# KiCad board poly_kb_molecule_4x4.kicad_pcb (continued)
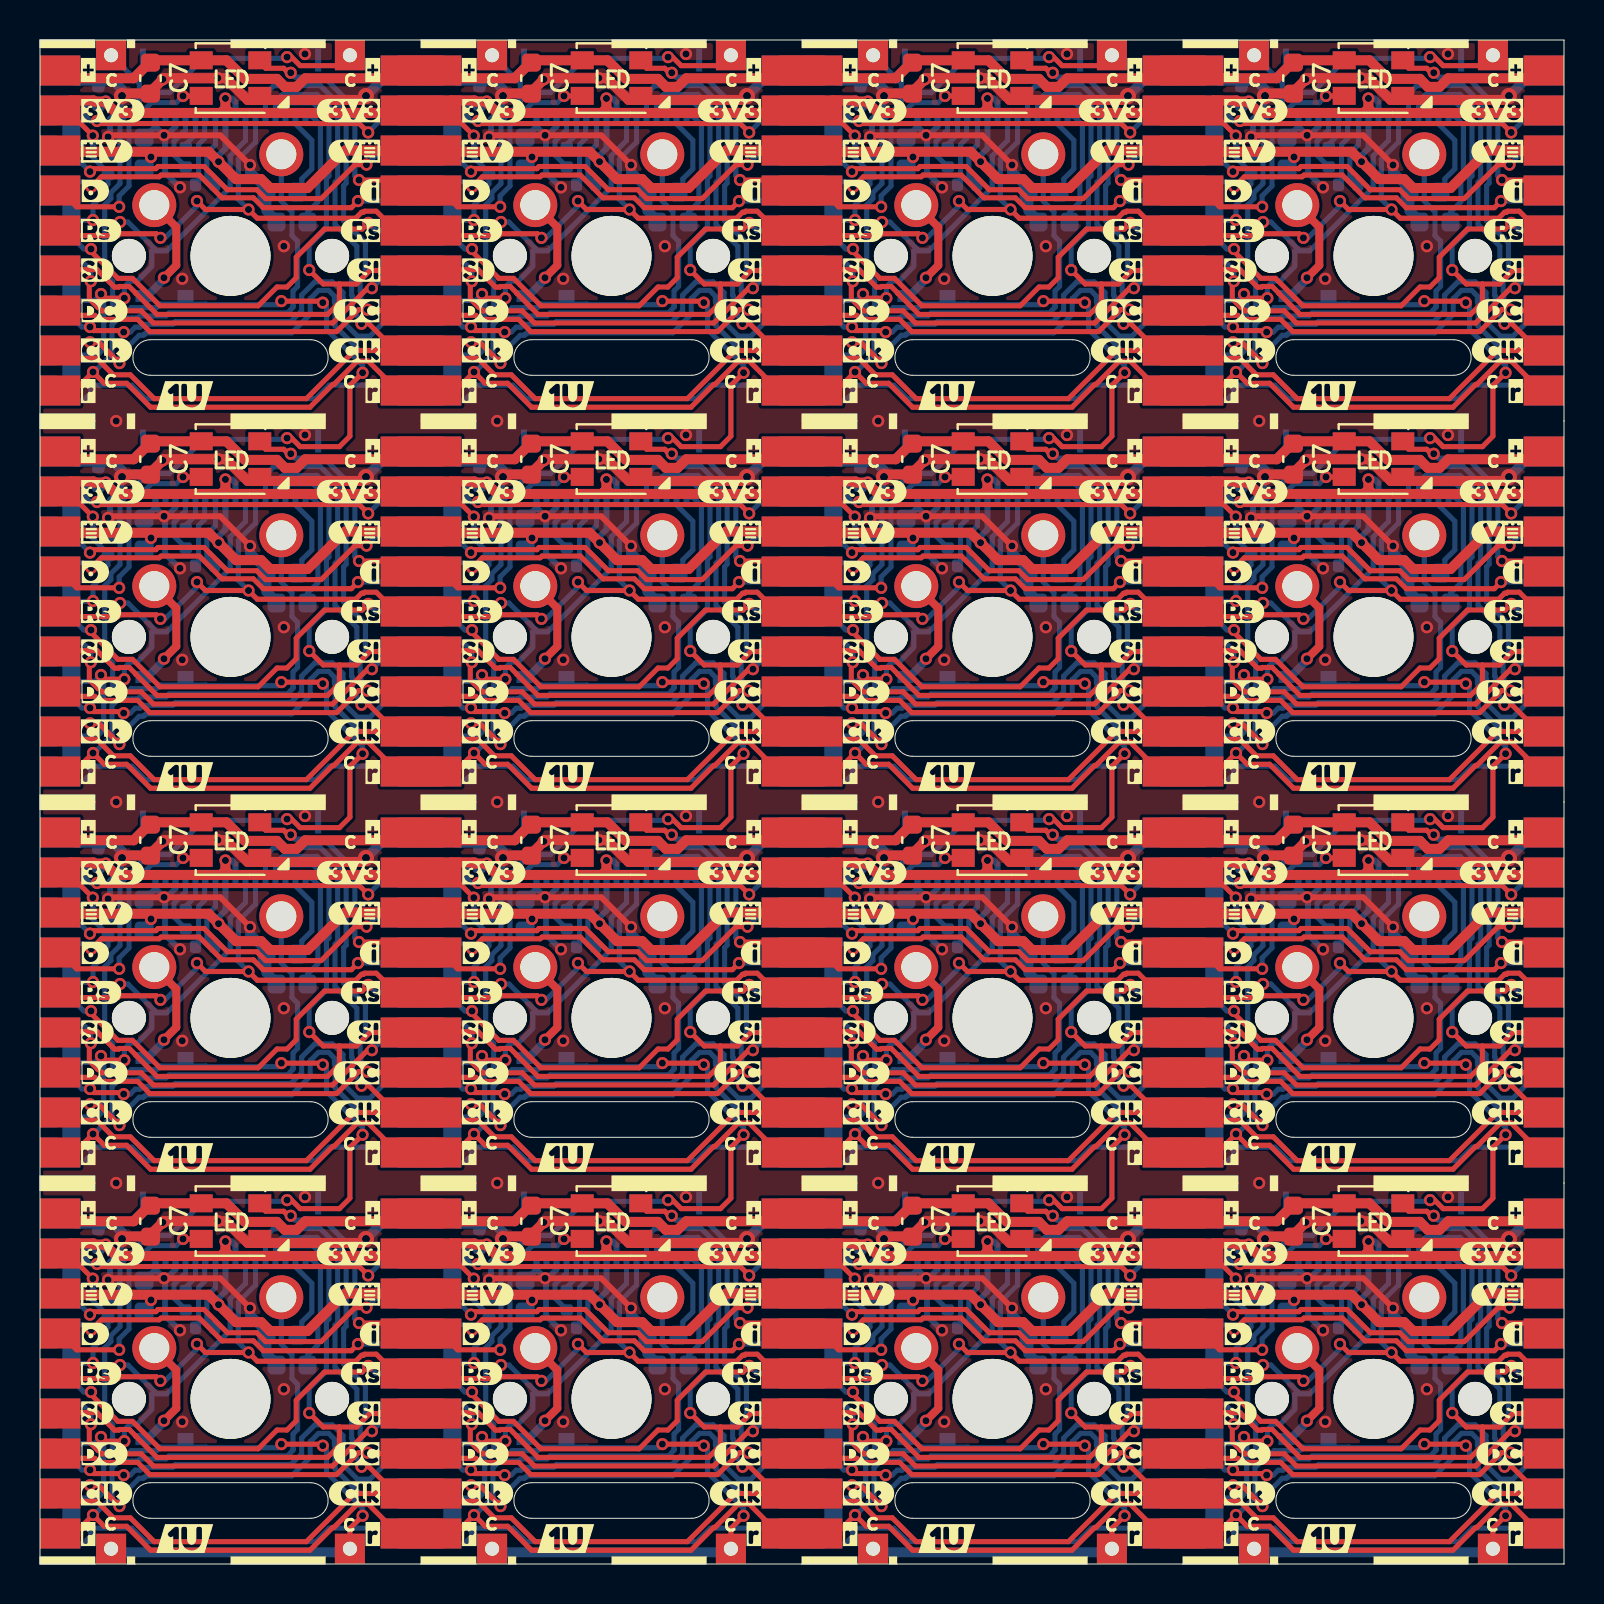
[diagram p0: board, top side]
## Routing (per net, layer and track width the routed paths; a pad name or vN(x,y) marks a point on that pad's centre or on a via; arc(x,y) is an arc through that point) (continued)
/Keyboard/sheet605ED2EB/LED_DIN: length 398.1
  Top w0.254: 36.83,11.53 36.3,12.05 v1(35,12.05) ; v1(50.64,36.46) 50.51,36.46 50.29,36.69 49.39,36.69 48.99,37.09 ; v1(23.01,10.71) 20.88,10.71 J3#6.4 ; v1(69.69,36.46) 69.56,36.46 69.34,36.69 68.44,36.69 68.04,37.09 ; 48.99,75.19 49.39,74.79 50.29,74.79 50.51,74.56 v1(50.64,74.56) ; 29.94,56.14 30.34,55.74 31.24,55.74 31.46,55.51 v1(31.59,55.51) ; v1(15.95,69.2) 17.25,69.2 17.78,68.68 ; J3#7.4 20.88,48.81 v1(23.01,48.81) ; J3#13.4 39.93,10.71 v1(42.06,10.71) ; v1(42.06,67.86) 39.93,67.86 J3#15.4 ; 36.83,49.63 36.3,50.15 v1(35,50.15) ; v1(31.59,36.46) 31.46,36.46 31.24,36.69 30.34,36.69 29.94,37.09 ; LED1#8.2 65.2,73.4 v1(64.3,73.4) ; v1(73.1,69.2) 74.41,69.2 74.93,68.68 ; v1(35,31.1) 36.3,31.1 36.83,30.58 ; J3#2.4 20.88,29.76 v1(23.01,29.76) ; LED1#3.2 65.2,35.3 v1(64.3,35.3) ; v1(7.15,73.4) 8.05,73.4 LED1.2 ; 74.93,11.53 74.41,12.05 v1(73.1,12.05) ; v1(26.2,16.25) 27.1,16.25 LED1#9.2 ; J3#3.4 1.83,29.76 v1(3.96,29.76) ; 17.78,30.58 17.25,31.1 v1(15.95,31.1) ; J3#10.4 58.98,67.86 v1(61.11,67.86) ; 68.04,75.19 68.44,74.79 69.34,74.79 69.56,74.56 v1(69.69,74.56) ; v1(31.59,17.41) 31.46,17.41 31.24,17.64 30.34,17.64 29.94,18.04 ; LED1#13.2 8.05,54.35 v1(7.15,54.35) ; v1(61.11,29.76) 58.98,29.76 J3#11.4 ; v1(3.96,48.81) 1.83,48.81 J3#8.4 ; LED1#16.2 27.1,73.4 v1(26.2,73.4) ; v1(15.95,50.15) 17.25,50.15 17.78,49.63 ; 74.93,49.63 74.41,50.15 v1(73.1,50.15) ; 17.78,11.53 17.25,12.05 v1(15.95,12.05) ; LED1#10.2 46.16,73.4 v1(45.25,73.4) ; v1(64.3,16.25) 65.2,16.25 LED1#2.2 ; v1(31.59,74.56) 31.46,74.56 31.24,74.79 30.34,74.79 29.94,75.19 ; 68.04,18.04 68.44,17.64 69.34,17.64 69.56,17.41 v1(69.69,17.41) ; J3#9.4 20.88,67.86 v1(23.01,67.86) ; v1(12.54,17.41) 12.41,17.41 12.19,17.64 11.29,17.64 10.89,18.04 ; v1(45.25,35.3) 46.16,35.3 LED1#14.2 ; J3#4.4 58.98,48.81 v1(61.11,48.81) ; v1(54.05,69.2) 55.36,69.2 55.88,68.68 ; LED1#11.2 46.16,54.35 v1(45.25,54.35) ; 36.83,68.68 36.3,69.2 v1(35,69.2) ; v1(73.1,31.1) 74.41,31.1 74.93,30.58 ; v1(3.96,67.86) 1.83,67.86 J3.4 ; LED1#4.2 27.1,35.3 v1(26.2,35.3) ; v1(50.64,55.51) 50.51,55.51 50.29,55.74 49.39,55.74 48.99,56.14 ; 10.89,37.09 11.29,36.69 12.19,36.69 12.41,36.46 v1(12.54,36.46) ; 55.88,30.58 55.36,31.1 v1(54.05,31.1) ; LED1#5.2 8.05,35.3 v1(7.15,35.3) ; v1(54.05,50.15) 55.36,50.15 55.88,49.63 ; J3#14.4 39.93,48.81 v1(42.06,48.81) ; 55.88,11.53 55.36,12.05 v1(54.05,12.05) ; 48.99,18.04 49.39,17.64 50.29,17.64 50.51,17.41 v1(50.64,17.41) ; 68.04,56.14 68.44,55.74 69.34,55.74 69.56,55.51 v1(69.69,55.51) ; v1(12.54,74.56) 12.41,74.56 12.19,74.79 11.29,74.79 10.89,75.19 ; 10.89,56.14 11.29,55.74 12.19,55.74 12.41,55.51 v1(12.54,55.51) ; v1(45.25,16.25) 46.16,16.25 LED1#6.2 ; v1(42.06,29.76) 39.93,29.76 J3#5.4 ; J3#12.4 1.83,10.71 v1(3.96,10.71) ; v1(7.15,16.25) 8.05,16.25 LED1#7.2 ; LED1#15.2 27.1,54.35 v1(26.2,54.35) ; J3#16.4 58.98,10.71 v1(61.11,10.71) ; v1(64.3,54.35) 65.2,54.35 LED1#12.2
  Top w1.5: J4#4.4 J3#2.4 ; J4.4 J3#9.4 ; J4#13.4 J3#6.4 ; J3#4.4 J4#7.4 ; J4#12.4 J3#13.4 ; J3#11.4 J4#2.4 ; J4#16.4 J3#15.4 ; J3#10.4 J4#10.4 ; J4#14.4 J3#7.4 ; J4#9.4 J3#5.4 ; J4#6.4 J3#14.4 ; J3#16.4 J4#15.4
  Bottom w0.254: v1(3.96,48.81) 3.96,49.36 4.45,49.85 4.45,52.9 5.57,54.02 6.82,54.02 v1(7.15,54.35) ; v1(73.1,50.15) 72.89,50.36 72.89,53.75 71.35,55.29 69.91,55.29 v1(69.69,55.51) ; v1(7.15,35.3) 6.82,34.97 5.57,34.97 4.45,33.85 4.45,30.8 3.96,30.31 v1(3.96,29.76) ; v1(35,69.2) 34.79,69.41 34.79,72.8 33.25,74.34 31.81,74.34 v1(31.59,74.56) ; v1(50.64,55.51) 50.86,55.29 52.3,55.29 53.84,53.75 53.84,50.36 v1(54.05,50.15) ; v1(23.01,10.71) 23.01,11.26 23.5,11.75 23.5,14.8 24.62,15.92 25.87,15.92 v1(26.2,16.25) ; v1(50.64,74.56) 50.86,74.34 52.3,74.34 53.84,72.8 53.84,69.41 v1(54.05,69.2) ; v1(69.69,17.41) 69.91,17.19 71.35,17.19 72.89,15.65 72.89,12.26 v1(73.1,12.05) ; v1(42.06,67.86) 42.06,68.41 42.55,68.9 42.55,71.95 43.67,73.07 44.92,73.07 v1(45.25,73.4) ; v1(45.25,35.3) 44.92,34.97 43.67,34.97 42.55,33.85 42.55,30.8 42.06,30.31 v1(42.06,29.76) ; v1(73.1,31.1) 72.89,31.31 72.89,34.7 71.35,36.24 69.91,36.24 v1(69.69,36.46) ; v1(12.54,36.46) 12.76,36.24 14.2,36.24 15.74,34.7 15.74,31.31 v1(15.95,31.1) ; v1(61.11,48.81) 61.11,49.36 61.6,49.85 61.6,52.9 62.72,54.02 63.97,54.02 v1(64.3,54.35) ; v1(31.59,55.51) 31.81,55.29 33.25,55.29 34.79,53.75 34.79,50.36 v1(35,50.15) ; v1(42.06,10.71) 42.06,11.26 42.55,11.75 42.55,14.8 43.67,15.92 44.92,15.92 v1(45.25,16.25) ; v1(12.54,74.56) 12.76,74.34 14.2,74.34 15.74,72.8 15.74,69.41 v1(15.95,69.2) ; v1(15.95,12.05) 15.74,12.26 15.74,15.65 14.2,17.19 12.76,17.19 v1(12.54,17.41) ; v1(64.3,35.3) 63.97,34.97 62.72,34.97 61.6,33.85 61.6,30.8 61.11,30.31 v1(61.11,29.76) ; v1(26.2,73.4) 25.87,73.07 24.62,73.07 23.5,71.95 23.5,68.9 23.01,68.41 v1(23.01,67.86) ; v1(35,31.1) 34.79,31.31 34.79,34.7 33.25,36.24 31.81,36.24 v1(31.59,36.46) ; v1(15.95,50.15) 15.74,50.36 15.74,53.75 14.2,55.29 12.76,55.29 v1(12.54,55.51) ; v1(3.96,10.71) 3.96,11.26 4.45,11.75 4.45,14.8 5.57,15.92 6.82,15.92 v1(7.15,16.25) ; v1(64.3,73.4) 63.97,73.07 62.72,73.07 61.6,71.95 61.6,68.9 61.11,68.41 v1(61.11,67.86) ; v1(23.01,29.76) 23.01,30.31 23.5,30.8 23.5,33.85 24.62,34.97 25.87,34.97 v1(26.2,35.3) ; v1(3.96,67.86) 3.96,68.41 4.45,68.9 4.45,71.95 5.57,73.07 6.82,73.07 v1(7.15,73.4) ; v1(54.05,31.1) 53.84,31.31 53.84,34.7 52.3,36.24 50.86,36.24 v1(50.64,36.46) ; v1(31.59,17.41) 31.81,17.19 33.25,17.19 34.79,15.65 34.79,12.26 v1(35,12.05) ; v1(69.69,74.56) 69.91,74.34 71.35,74.34 72.89,72.8 72.89,69.41 v1(73.1,69.2) ; v1(45.25,54.35) 44.92,54.02 43.67,54.02 42.55,52.9 42.55,49.85 42.06,49.36 v1(42.06,48.81) ; v1(50.64,17.41) 50.86,17.19 52.3,17.19 53.84,15.65 53.84,12.26 v1(54.05,12.05) ; v1(61.11,10.71) 61.11,11.26 61.6,11.75 61.6,14.8 62.72,15.92 63.97,15.92 v1(64.3,16.25) ; v1(26.2,54.35) 25.87,54.02 24.62,54.02 23.5,52.9 23.5,49.85 23.01,49.36 v1(23.01,48.81)
/Keyboard/sheet605ED2EB/RESET: length 408.9
  Top w0.254: 17.78,47.63 16.81,48.59 16.23,48.59 16.18,48.54 16.08,48.54 15.78,48.24 10.86,48.24 v1(10.43,48.67) 8.27,48.67 v1(7.85,49.1) ; v1(26.9,11) 27.32,10.57 v1(29.48,10.57) 29.91,10.14 34.83,10.14 35.13,10.44 35.23,10.44 35.28,10.49 35.86,10.49 36.83,9.53 ; J3#13.5 39.37,9.27 42,9.27 42.09,9.36 43.92,9.36 v1(44.12,9.16) ; J3#3.5 1.27,28.32 3.9,28.32 3.99,28.41 5.82,28.41 v1(6.02,28.21) ; v1(65,11) 65.42,10.57 v1(67.58,10.57) 68.01,10.14 72.93,10.14 73.23,10.44 73.33,10.44 73.38,10.49 73.96,10.49 74.93,9.53 ; v1(6.02,9.16) 5.82,9.36 3.99,9.36 3.9,9.27 1.27,9.27 J3#12.5 ; v1(25.07,66.31) 24.87,66.51 23.04,66.51 22.95,66.42 20.32,66.42 J3#9.5 ; v1(25.07,9.16) 24.87,9.36 23.04,9.36 22.95,9.27 20.32,9.27 J3#6.5 ; v1(63.17,47.26) 62.97,47.46 61.14,47.46 61.05,47.37 58.42,47.37 J3#4.5 ; v1(45.95,11) 46.37,10.57 v1(48.53,10.57) 48.96,10.14 53.88,10.14 54.18,10.44 54.28,10.44 54.33,10.49 54.91,10.49 55.88,9.53 ; v1(45.95,49.1) 46.37,48.67 v1(48.53,48.67) 48.96,48.24 53.88,48.24 54.18,48.54 54.28,48.54 54.33,48.59 54.91,48.59 55.88,47.63 ; v1(63.17,66.31) 62.97,66.51 61.14,66.51 61.05,66.42 58.42,66.42 J3#10.5 ; J3#8.5 1.27,47.37 3.9,47.37 3.99,47.46 5.82,47.46 v1(6.02,47.26) ; 17.78,28.58 16.81,29.54 16.23,29.54 16.18,29.49 16.08,29.49 15.78,29.19 10.86,29.19 v1(10.43,29.62) 8.27,29.62 v1(7.85,30.05) ; v1(26.9,30.05) 27.32,29.62 v1(29.48,29.62) 29.91,29.19 34.83,29.19 35.13,29.49 35.23,29.49 35.28,29.54 35.86,29.54 36.83,28.58 ; v1(63.17,9.16) 62.97,9.36 61.14,9.36 61.05,9.27 58.42,9.27 J3#16.5 ; v1(65,30.05) 65.42,29.62 v1(67.58,29.62) 68.01,29.19 72.93,29.19 73.23,29.49 73.33,29.49 73.38,29.54 73.96,29.54 74.93,28.58 ; 36.83,47.63 35.86,48.59 35.28,48.59 35.23,48.54 35.13,48.54 34.83,48.24 29.91,48.24 v1(29.48,48.67) 27.32,48.67 v1(26.9,49.1) ; v1(65,49.1) 65.42,48.67 v1(67.58,48.67) 68.01,48.24 72.93,48.24 73.23,48.54 73.33,48.54 73.38,48.59 73.96,48.59 74.93,47.63 ; v1(45.95,68.15) 46.37,67.72 v1(48.53,67.72) 48.96,67.29 53.88,67.29 54.18,67.59 54.28,67.59 54.33,67.64 54.91,67.64 55.88,66.68 ; v1(7.85,11) 8.27,10.57 v1(10.43,10.57) 10.86,10.14 15.78,10.14 16.08,10.44 16.18,10.44 16.23,10.49 16.81,10.49 17.78,9.53 ; v1(6.02,66.31) 5.82,66.51 3.99,66.51 3.9,66.42 1.27,66.42 J3.5 ; v1(65,68.15) 65.42,67.72 v1(67.58,67.72) 68.01,67.29 72.93,67.29 73.23,67.59 73.33,67.59 73.38,67.64 73.96,67.64 74.93,66.68 ; J3#7.5 20.32,47.37 22.95,47.37 23.04,47.46 24.87,47.46 v1(25.07,47.26) ; 17.78,66.68 16.81,67.64 16.23,67.64 16.18,67.59 16.08,67.59 15.78,67.29 10.86,67.29 v1(10.43,67.72) 8.27,67.72 v1(7.85,68.15) ; v1(44.12,66.31) 43.92,66.51 42.09,66.51 42,66.42 39.37,66.42 J3#15.5 ; v1(26.9,68.15) 27.32,67.72 v1(29.48,67.72) 29.91,67.29 34.83,67.29 35.13,67.59 35.23,67.59 35.28,67.64 35.86,67.64 36.83,66.68 ; v1(44.12,28.21) 43.92,28.41 42.09,28.41 42,28.32 39.37,28.32 J3#5.5 ; J3#2.5 20.32,28.32 22.95,28.32 23.04,28.41 24.87,28.41 v1(25.07,28.21) ; v1(44.12,47.26) 43.92,47.46 42.09,47.46 42,47.37 39.37,47.37 J3#14.5 ; v1(45.95,30.05) 46.37,29.62 v1(48.53,29.62) 48.96,29.19 53.88,29.19 54.18,29.49 54.28,29.49 54.33,29.54 54.91,29.54 55.88,28.58 ; J3#11.5 58.42,28.32 61.05,28.32 61.14,28.41 62.97,28.41 v1(63.17,28.21)
  Top w1.5: J4#10.5 J3#10.5 ; J4#7.5 J3#4.5 ; J4#15.5 J3#16.5 ; J4.5 J3#9.5 ; J4#12.5 J3#13.5 ; J4#2.5 J3#11.5 ; J4#6.5 J3#14.5 ; J4#16.5 J3#15.5 ; J4#9.5 J3#5.5 ; J4#4.5 J3#2.5 ; J4#14.5 J3#7.5 ; J4#13.5 J3#6.5
  Bottom w0.254: v1(6.02,9.16) 6.25,9.16 7.85,10.75 v1(7.85,11) ; J1#4.11 48.88,52.05 48.02,51.19 48.02,49.18 v1(48.53,48.67) ; v1(10.43,67.72) 9.92,68.23 9.92,70.24 10.77,71.1 J1.11 ; v1(29.48,10.57) 28.97,11.08 28.97,13.09 29.83,13.95 J1#2.11 ; v1(65,49.1) 65,48.85 63.4,47.26 v1(63.17,47.26) ; v1(45.95,68.15) 45.95,67.9 44.35,66.31 v1(44.12,66.31) ; v1(26.9,49.1) 26.9,48.85 25.3,47.26 v1(25.07,47.26) ; J1#14.11 48.88,13.95 48.02,13.09 48.02,11.08 v1(48.53,10.57) ; J1#5.11 10.77,13.95 9.92,13.09 9.92,11.08 v1(10.43,10.57) ; J1#12.11 29.83,52.05 28.97,51.19 28.97,49.18 v1(29.48,48.67) ; J1#8.11 48.88,33 48.02,32.14 48.02,30.13 v1(48.53,29.62) ; v1(44.12,47.26) 44.35,47.26 45.95,48.85 v1(45.95,49.1) ; v1(44.12,9.16) 44.35,9.16 45.95,10.75 v1(45.95,11) ; J1#7.11 48.88,71.1 48.02,70.24 48.02,68.23 v1(48.53,67.72) ; J1#9.11 67.92,71.1 67.07,70.24 67.07,68.23 v1(67.58,67.72) ; v1(65,11) 65,10.75 63.4,9.16 v1(63.17,9.16) ; v1(67.58,10.57) 67.07,11.08 67.07,13.09 67.92,13.95 J1#3.11 ; v1(65,30.05) 65,29.8 63.4,28.21 v1(63.17,28.21) ; v1(44.12,28.21) 44.35,28.21 45.95,29.8 v1(45.95,30.05) ; J1#13.11 67.92,52.05 67.07,51.19 67.07,49.18 v1(67.58,48.67) ; v1(29.48,29.62) 28.97,30.13 28.97,32.14 29.83,33 J1#10.11 ; v1(10.43,48.67) 9.92,49.18 9.92,51.19 10.77,52.05 J1#16.11 ; v1(25.07,66.31) 25.3,66.31 26.9,67.9 v1(26.9,68.15) ; J1#11.11 29.83,71.1 28.97,70.24 28.97,68.23 v1(29.48,67.72) ; v1(7.85,49.1) 7.85,48.85 6.25,47.26 v1(6.02,47.26) ; v1(26.9,30.05) 26.9,29.8 25.3,28.21 v1(25.07,28.21) ; v1(63.17,66.31) 63.4,66.31 65,67.9 v1(65,68.15) ; v1(6.02,66.31) 6.25,66.31 7.85,67.9 v1(7.85,68.15) ; J1#6.11 10.77,33 9.92,32.14 9.92,30.13 v1(10.43,29.62) ; v1(25.07,9.16) 25.3,9.16 26.9,10.75 v1(26.9,11) ; J1#15.11 67.92,33 67.07,32.14 67.07,30.13 v1(67.58,29.62) ; v1(6.02,28.21) 6.25,28.21 7.85,29.8 v1(7.85,30.05)
/Keyboard/sheet605ED2EB/SCLK: length 611.3
  Top w0.254: J4#7.8 53.83,41.63 51.42,39.22 43.81,39.22 42.61,40.41 41.76,40.41 40.94,41.23 39.76,41.23 39.37,41.63 ; 17.78,22.58 16.44,23.91 v1(16.08,23.91) ; J4#14.8 15.73,41.63 13.32,39.22 5.71,39.22 4.51,40.41 3.66,40.41 2.84,41.23 1.66,41.23 1.27,41.63 ; 58.42,41.63 58.81,41.23 59.99,41.23 60.81,40.41 61.66,40.41 62.86,39.22 70.47,39.22 72.88,41.63 J4#3.8 ; 1.27,60.68 1.66,60.28 2.84,60.28 3.66,59.46 4.51,59.46 5.71,58.27 13.32,58.27 15.73,60.68 J4.8 ; 58.42,3.53 58.81,3.13 59.99,3.13 60.81,2.31 61.66,2.31 62.86,1.12 70.47,1.12 72.88,3.53 J4#11.8 ; J4#6.8 34.78,41.63 32.37,39.22 24.76,39.22 23.56,40.41 22.71,40.41 21.89,41.23 20.71,41.23 20.32,41.63 ; 1.27,3.53 1.66,3.13 2.84,3.13 3.66,2.31 4.51,2.31 5.71,1.12 13.32,1.12 15.73,3.53 J4#13.8 ; 74.93,22.58 73.59,23.91 v1(73.23,23.91) ; J4#12.8 34.78,3.53 32.37,1.12 24.76,1.12 23.56,2.31 22.71,2.31 21.89,3.13 20.71,3.13 20.32,3.53 ; J4#16.8 34.78,60.68 32.37,58.27 24.76,58.27 23.56,59.46 22.71,59.46 21.89,60.28 20.71,60.28 20.32,60.68 ; 17.78,41.63 16.44,42.96 v1(16.08,42.96) ; 55.88,3.53 54.54,4.86 v1(54.18,4.86) ; 58.42,60.68 58.81,60.28 59.99,60.28 60.81,59.46 61.66,59.46 62.86,58.27 70.47,58.27 72.88,60.68 J4#5.8 ; J4#2.8 53.83,22.58 51.42,20.17 43.81,20.17 42.61,21.36 41.76,21.36 40.94,22.18 39.76,22.18 39.37,22.58 ; v1(73.23,42.96) 73.59,42.96 74.93,41.63 ; 1.27,22.58 1.66,22.18 2.84,22.18 3.66,21.36 4.51,21.36 5.71,20.17 13.32,20.17 15.73,22.58 J4#4.8 ; 20.32,22.58 20.71,22.18 21.89,22.18 22.71,21.36 23.56,21.36 24.76,20.17 32.37,20.17 34.78,22.58 J4#9.8 ; 74.93,3.53 73.59,4.86 v1(73.23,4.86) ; J4#8.8 72.88,22.58 70.47,20.17 62.86,20.17 61.66,21.36 60.81,21.36 59.99,22.18 58.81,22.18 58.42,22.58 ; v1(35.13,62.01) 35.49,62.01 36.83,60.68 ; 55.88,60.68 54.54,62.01 v1(54.18,62.01) ; 39.37,3.53 39.76,3.13 40.94,3.13 41.76,2.31 42.61,2.31 43.81,1.12 51.42,1.12 53.83,3.53 J4#15.8 ; v1(16.08,62.01) 16.44,62.01 17.78,60.68 ; v1(35.13,42.96) 35.49,42.96 36.83,41.63 ; v1(35.13,4.86) 35.49,4.86 36.83,3.53 ; v1(16.08,4.86) 16.44,4.86 17.78,3.53 ; 39.37,60.68 39.76,60.28 40.94,60.28 41.76,59.46 42.61,59.46 43.81,58.27 51.42,58.27 53.83,60.68 J4#10.8 ; 36.83,22.58 35.49,23.91 v1(35.13,23.91) ; v1(73.23,62.01) 73.59,62.01 74.93,60.68 ; v1(54.18,42.96) 54.54,42.96 55.88,41.63 ; v1(54.18,23.91) 54.54,23.91 55.88,22.58
  Top w1.5: J4#4.8 J3#2.8 ; J4#14.8 J3#7.8 ; J3#4.8 J4#7.8 ; J3#11.8 J4#2.8 ; J4#6.8 J3#14.8 ; J3#10.8 J4#10.8 ; J3#16.8 J4#15.8 ; J4#16.8 J3#15.8 ; J4#9.8 J3#5.8 ; J4#13.8 J3#6.8 ; J4.8 J3#9.8 ; J4#12.8 J3#13.8
  Bottom w0.254: J1#5.13 11.77,15.97 12.14,16.33 13.84,16.33 14.75,15.42 14.75,15.42 14.88,15.29 14.88,12.07 14.75,11.94 14.75,9.83 15.84,8.74 15.84,7.49 15.58,7.23 15.58,6.3 15.61,6.26 15.61,5.49 16.08,5.03 v1(16.08,4.86) ; J1#12.13 30.83,54.07 31.19,54.43 32.89,54.43 33.8,53.52 33.8,53.52 33.93,53.39 33.93,50.17 33.8,50.04 33.8,47.93 34.89,46.84 34.89,45.59 34.63,45.33 34.63,44.4 34.66,44.36 34.66,43.59 35.13,43.13 v1(35.13,42.96) ; J1#3.13 68.92,15.97 69.29,16.33 70.99,16.33 71.9,15.42 71.9,15.42 72.03,15.29 72.03,12.07 71.9,11.94 71.9,9.83 72.99,8.74 72.99,7.49 72.73,7.23 72.73,6.3 72.76,6.26 72.76,5.49 73.23,5.03 v1(73.23,4.86) ; J1#16.13 11.77,54.07 12.14,54.43 13.84,54.43 14.75,53.52 14.75,53.52 14.88,53.39 14.88,50.17 14.75,50.04 14.75,47.93 15.84,46.84 15.84,45.59 15.58,45.33 15.58,44.4 15.61,44.36 15.61,43.59 16.08,43.13 v1(16.08,42.96) ; J1#7.13 49.88,73.12 50.24,73.48 51.94,73.48 52.85,72.57 52.85,72.57 52.98,72.44 52.98,69.22 52.85,69.09 52.85,66.98 53.94,65.89 53.94,64.64 53.68,64.38 53.68,63.45 53.71,63.41 53.71,62.64 54.18,62.18 v1(54.18,62.01) ; J1#8.13 49.88,35.02 50.24,35.38 51.94,35.38 52.85,34.47 52.85,34.47 52.98,34.34 52.98,31.12 52.85,30.99 52.85,28.88 53.94,27.79 53.94,26.54 53.68,26.28 53.68,25.35 53.71,25.31 53.71,24.54 54.18,24.08 v1(54.18,23.91) ; v1(35.13,4.86) 35.13,5.03 34.66,5.49 34.66,6.26 34.63,6.3 34.63,7.23 34.89,7.49 34.89,8.74 33.8,9.83 33.8,11.94 33.93,12.07 33.93,15.29 33.8,15.42 33.8,15.42 32.89,16.33 31.19,16.33 30.83,15.97 J1#2.13 ; J1#11.13 30.83,73.12 31.19,73.48 32.89,73.48 33.8,72.57 33.8,72.57 33.93,72.44 33.93,69.22 33.8,69.09 33.8,66.98 34.89,65.89 34.89,64.64 34.63,64.38 34.63,63.45 34.66,63.41 34.66,62.64 35.13,62.18 v1(35.13,62.01) ; v1(73.23,23.91) 73.23,24.08 72.76,24.54 72.76,25.31 72.73,25.35 72.73,26.28 72.99,26.54 72.99,27.79 71.9,28.88 71.9,30.99 72.03,31.12 72.03,34.34 71.9,34.47 71.9,34.47 70.99,35.38 69.29,35.38 68.92,35.02 J1#15.13 ; J1#14.13 49.88,15.97 50.24,16.33 51.94,16.33 52.85,15.42 52.85,15.42 52.98,15.29 52.98,12.07 52.85,11.94 52.85,9.83 53.94,8.74 53.94,7.49 53.68,7.23 53.68,6.3 53.71,6.26 53.71,5.49 54.18,5.03 v1(54.18,4.86) ; J1#13.13 68.92,54.07 69.29,54.43 70.99,54.43 71.9,53.52 71.9,53.52 72.03,53.39 72.03,50.17 71.9,50.04 71.9,47.93 72.99,46.84 72.99,45.59 72.73,45.33 72.73,44.4 72.76,44.36 72.76,43.59 73.23,43.13 v1(73.23,42.96) ; v1(54.18,42.96) 54.18,43.13 53.71,43.59 53.71,44.36 53.68,44.4 53.68,45.33 53.94,45.59 53.94,46.84 52.85,47.93 52.85,50.04 52.98,50.17 52.98,53.39 52.85,53.52 52.85,53.52 51.94,54.43 50.24,54.43 49.88,54.07 J1#4.13 ; v1(73.23,62.01) 73.23,62.18 72.76,62.64 72.76,63.41 72.73,63.45 72.73,64.38 72.99,64.64 72.99,65.89 71.9,66.98 71.9,69.09 72.03,69.22 72.03,72.44 71.9,72.57 71.9,72.57 70.99,73.48 69.29,73.48 68.92,73.12 J1#9.13 ; v1(35.13,23.91) 35.13,24.08 34.66,24.54 34.66,25.31 34.63,25.35 34.63,26.28 34.89,26.54 34.89,27.79 33.8,28.88 33.8,30.99 33.93,31.12 33.93,34.34 33.8,34.47 33.8,34.47 32.89,35.38 31.19,35.38 30.83,35.02 J1#10.13 ; v1(16.08,23.91) 16.08,24.08 15.61,24.54 15.61,25.31 15.58,25.35 15.58,26.28 15.84,26.54 15.84,27.79 14.75,28.88 14.75,30.99 14.88,31.12 14.88,34.34 14.75,34.47 14.75,34.47 13.84,35.38 12.14,35.38 11.77,35.02 J1#6.13 ; v1(16.08,62.01) 16.08,62.18 15.61,62.64 15.61,63.41 15.58,63.45 15.58,64.38 15.84,64.64 15.84,65.89 14.75,66.98 14.75,69.09 14.88,69.22 14.88,72.44 14.75,72.57 14.75,72.57 13.84,73.48 12.14,73.48 11.77,73.12 J1.13
/Keyboard/sheet605ED2EB/SDIN: length 532.7
  Top w0.254: 39.37,7.53 39.41,7.57 40.95,7.57 41.82,6.69 42.04,6.69 42.08,6.73 42.56,6.73 42.9,6.39 42.9,6.38 43.95,5.33 52.48,5.33 53.07,5.92 53.07,6.85 ; 34.02,64 34.87,64 35.55,64.68 36.83,64.68 ; 34.02,64 33.21,64 v1(32.51,64.7) ; 34.02,64 34.02,63.07 33.43,62.48 24.9,62.48 23.85,63.53 23.85,63.54 23.51,63.88 23.03,63.88 22.99,63.84 22.77,63.84 21.9,64.72 20.36,64.72 20.32,64.68 ; 14.97,44.95 14.97,44.02 14.38,43.43 5.85,43.43 4.8,44.48 4.8,44.49 4.46,44.83 3.98,44.83 3.94,44.79 3.72,44.79 2.85,45.67 1.31,45.67 1.27,45.63 ; 14.97,44.95 15.82,44.95 16.5,45.63 17.78,45.63 ; 14.97,44.95 14.16,44.95 v1(13.46,45.65) ; 53.07,44.95 52.26,44.95 v1(51.56,45.65) ; 53.07,44.95 53.07,44.02 52.48,43.43 43.95,43.43 42.9,44.48 42.9,44.49 42.56,44.83 42.08,44.83 42.04,44.79 41.82,44.79 40.95,45.67 39.41,45.67 39.37,45.63 ; 53.07,44.95 53.92,44.95 54.6,45.63 55.88,45.63 ; 14.97,6.85 14.97,5.92 14.38,5.33 5.85,5.33 4.8,6.38 4.8,6.39 4.46,6.73 3.98,6.73 3.94,6.69 3.72,6.69 2.85,7.57 1.31,7.57 1.27,7.53 ; 14.97,6.85 14.16,6.85 v1(13.46,7.55) ; 14.97,6.85 15.82,6.85 16.5,7.53 17.78,7.53 ; 72.12,64 72.97,64 73.65,64.68 74.93,64.68 ; 72.12,64 71.31,64 v1(70.61,64.7) ; 72.12,64 72.12,63.07 71.53,62.48 63,62.48 61.95,63.53 61.95,63.54 61.61,63.88 61.13,63.88 61.09,63.84 60.87,63.84 60,64.72 58.46,64.72 58.42,64.68 ; 53.07,64 52.26,64 v1(51.56,64.7) ; 53.07,64 53.92,64 54.6,64.68 55.88,64.68 ; 53.07,64 53.07,63.07 52.48,62.48 43.95,62.48 42.9,63.53 42.9,63.54 42.56,63.88 42.08,63.88 42.04,63.84 41.82,63.84 40.95,64.72 39.41,64.72 39.37,64.68 ; v1(70.61,45.65) 71.31,44.95 72.12,44.95 ; v1(70.61,26.6) 71.31,25.9 72.12,25.9 ; 74.93,45.63 73.65,45.63 72.97,44.95 72.12,44.95 ; 53.07,6.85 53.92,6.85 54.6,7.53 55.88,7.53 ; 53.07,6.85 52.26,6.85 v1(51.56,7.55) ; 72.12,25.9 72.12,24.97 71.53,24.38 63,24.38 61.95,25.43 61.95,25.44 61.61,25.78 61.13,25.78 61.09,25.74 60.87,25.74 60,26.62 58.46,26.62 58.42,26.58 ; 72.12,25.9 72.97,25.9 73.65,26.58 74.93,26.58 ; v1(32.51,45.65) 33.21,44.95 34.02,44.95 ; 36.83,26.58 35.55,26.58 34.87,25.9 34.02,25.9 ; 72.12,6.85 72.12,5.92 71.53,5.33 63,5.33 61.95,6.38 61.95,6.39 61.61,6.73 61.13,6.73 61.09,6.69 60.87,6.69 60,7.57 58.46,7.57 58.42,7.53 ; 72.12,6.85 72.97,6.85 73.65,7.53 74.93,7.53 ; 72.12,6.85 71.31,6.85 v1(70.61,7.55) ; 39.37,26.58 39.41,26.62 40.95,26.62 41.82,25.74 42.04,25.74 42.08,25.78 42.56,25.78 42.9,25.44 42.9,25.43 43.95,24.38 52.48,24.38 53.07,24.97 53.07,25.9 ; 20.32,7.53 20.36,7.57 21.9,7.57 22.77,6.69 22.99,6.69 23.03,6.73 23.51,6.73 23.85,6.39 23.85,6.38 24.9,5.33 33.43,5.33 34.02,5.92 34.02,6.85 ; 34.02,44.95 34.87,44.95 35.55,45.63 36.83,45.63 ; 34.02,44.95 34.02,44.02 33.43,43.43 24.9,43.43 23.85,44.48 23.85,44.49 23.51,44.83 23.03,44.83 22.99,44.79 22.77,44.79 21.9,45.67 20.36,45.67 20.32,45.63 ; 53.07,25.9 52.26,25.9 v1(51.56,26.6) ; 53.07,25.9 53.92,25.9 54.6,26.58 55.88,26.58 ; 34.02,6.85 34.87,6.85 35.55,7.53 36.83,7.53 ; 34.02,6.85 33.21,6.85 v1(32.51,7.55) ; 17.78,64.68 16.5,64.68 15.82,64 14.97,64 ; v1(13.46,64.7) 14.16,64 14.97,64 ; 1.27,64.68 1.31,64.72 2.85,64.72 3.72,63.84 3.94,63.84 3.98,63.88 4.46,63.88 4.8,63.54 4.8,63.53 5.85,62.48 14.38,62.48 14.97,63.07 14.97,64 ; 1.27,26.58 1.31,26.62 2.85,26.62 3.72,25.74 3.94,25.74 3.98,25.78 4.46,25.78 4.8,25.44 4.8,25.43 5.85,24.38 14.38,24.38 14.97,24.97 14.97,25.9 ; 72.12,44.95 72.12,44.02 71.53,43.43 63,43.43 61.95,44.48 61.95,44.49 61.61,44.83 61.13,44.83 61.09,44.79 60.87,44.79 60,45.67 58.46,45.67 58.42,45.63 ; 34.02,25.9 33.21,25.9 v1(32.51,26.6) ; 34.02,25.9 34.02,24.97 33.43,24.38 24.9,24.38 23.85,25.43 23.85,25.44 23.51,25.78 23.03,25.78 22.99,25.74 22.77,25.74 21.9,26.62 20.36,26.62 20.32,26.58 ; 14.97,25.9 14.16,25.9 v1(13.46,26.6) ; 14.97,25.9 15.82,25.9 16.5,26.58 17.78,26.58
  Top w1.5: J3#11.6 J4#2.6 ; J3#16.6 J4#15.6 ; J4#12.6 J3#13.6 ; J4#16.6 J3#15.6 ; J4#6.6 J3#14.6 ; J3#10.6 J4#10.6 ; J3#4.6 J4#7.6 ; J4#9.6 J3#5.6 ; J4#14.6 J3#7.6 ; J4#4.6 J3#2.6 ; J4.6 J3#9.6 ; J4#13.6 J3#6.6
  Bottom w0.254: J1#13.14 69.42,53.82 69.61,54 70.81,54 71.6,53.22 71.6,50.35 71.47,50.22 71.47,47.74 70.61,46.88 v1(70.61,45.65) ; v1(13.46,7.55) 13.46,8.78 14.32,9.64 14.32,12.12 14.45,12.25 14.45,15.12 13.66,15.9 12.46,15.9 12.27,15.72 J1#5.14 ; v1(32.51,7.55) 32.51,8.78 33.37,9.64 33.37,12.12 33.5,12.25 33.5,15.12 32.71,15.9 31.51,15.9 31.33,15.72 J1#2.14 ; J1#14.14 50.38,15.72 50.56,15.9 51.76,15.9 52.55,15.12 52.55,12.25 52.42,12.12 52.42,9.64 51.56,8.78 v1(51.56,7.55) ; J1#10.14 31.33,34.77 31.51,34.95 32.71,34.95 33.5,34.17 33.5,31.3 33.37,31.17 33.37,28.69 32.51,27.83 v1(32.51,26.6) ; v1(70.61,26.6) 70.61,27.83 71.47,28.69 71.47,31.17 71.6,31.3 71.6,34.17 70.81,34.95 69.61,34.95 69.42,34.77 J1#15.14 ; J1#12.14 31.33,53.82 31.51,54 32.71,54 33.5,53.22 33.5,50.35 33.37,50.22 33.37,47.74 32.51,46.88 v1(32.51,45.65) ; J1#4.14 50.38,53.82 50.56,54 51.76,54 52.55,53.22 52.55,50.35 52.42,50.22 52.42,47.74 51.56,46.88 v1(51.56,45.65) ; v1(32.51,64.7) 32.51,65.93 33.37,66.79 33.37,69.27 33.5,69.4 33.5,72.27 32.71,73.05 31.51,73.05 31.33,72.87 J1#11.14 ; v1(51.56,64.7) 51.56,65.93 52.42,66.79 52.42,69.27 52.55,69.4 52.55,72.27 51.76,73.05 50.56,73.05 50.38,72.87 J1#7.14 ; v1(51.56,26.6) 51.56,27.83 52.42,28.69 52.42,31.17 52.55,31.3 52.55,34.17 51.76,34.95 50.56,34.95 50.38,34.77 J1#8.14 ; J1#16.14 12.27,53.82 12.46,54 13.66,54 14.45,53.22 14.45,50.35 14.32,50.22 14.32,47.74 13.46,46.88 v1(13.46,45.65) ; v1(70.61,64.7) 70.61,65.93 71.47,66.79 71.47,69.27 71.6,69.4 71.6,72.27 70.81,73.05 69.61,73.05 69.42,72.87 J1#9.14 ; J1#3.14 69.42,15.72 69.61,15.9 70.81,15.9 71.6,15.12 71.6,12.25 71.47,12.12 71.47,9.64 70.61,8.78 v1(70.61,7.55) ; J1.14 12.27,72.87 12.46,73.05 13.66,73.05 14.45,72.27 14.45,69.4 14.32,69.27 14.32,66.79 13.46,65.93 v1(13.46,64.7) ; v1(13.46,26.6) 13.46,27.83 14.32,28.69 14.32,31.17 14.45,31.3 14.45,34.17 13.66,34.95 12.46,34.95 12.27,34.77 J1#6.14
CS1: length 308.1
  Top w0.254: v1(21.9,72.15) 22.03,72.02 35.01,72.02 v1(35.46,71.58) ; v1(54.51,71.58) 54.06,72.02 41.08,72.02 v1(40.95,72.15) ; v1(35.46,14.43) 35.01,14.87 22.03,14.87 v1(21.9,15) ; v1(60,15) 60.13,14.87 73.11,14.87 v1(73.56,14.43) ; v1(60,72.15) 60.13,72.02 73.11,72.02 v1(73.56,71.58) ; v1(35.46,52.53) 35.01,52.97 22.03,52.97 v1(21.9,53.1) ; v1(73.56,33.48) 73.11,33.92 60.13,33.92 v1(60,34.05) ; v1(2.85,34.05) 2.98,33.92 15.96,33.92 v1(16.41,33.48) ; v1(21.9,34.05) 22.03,33.92 35.01,33.92 v1(35.46,33.48) ; v1(54.51,52.53) 54.06,52.97 41.08,52.97 v1(40.95,53.1) ; v1(16.41,52.53) 15.96,52.97 2.98,52.97 v1(2.85,53.1) ; v1(54.51,33.48) 54.06,33.92 41.08,33.92 v1(40.95,34.05) ; v1(16.41,14.43) 15.96,14.87 2.98,14.87 v1(2.85,15) ; v1(54.51,14.43) 54.06,14.87 41.08,14.87 v1(40.95,15) ; v1(2.85,72.15) 2.98,72.02 15.96,72.02 v1(16.41,71.58) ; v1(60,53.1) 60.13,52.97 73.11,52.97 v1(73.56,52.53)
  Bottom w0.254: v1(54.51,71.58) 55.61,72.68 55.88,72.68 ; v1(60,34.05) 59.67,34.05 59.47,34.25 59.47,34.82 59.28,35.01 58.85,35.01 58.42,34.58 ; 74.93,15.53 74.66,15.53 v1(73.56,14.43) ; 74.93,53.63 74.66,53.63 v1(73.56,52.53) ; 1.27,34.58 1.7,35.01 2.13,35.01 2.32,34.82 2.32,34.25 2.52,34.05 v1(2.85,34.05) ; 17.78,72.68 17.51,72.68 v1(16.41,71.58) ; v1(40.95,72.15) 40.62,72.15 40.42,72.35 40.42,72.92 40.23,73.11 39.8,73.11 39.37,72.68 ; 55.88,53.63 55.61,53.63 v1(54.51,52.53) ; v1(73.56,71.58) 74.66,72.68 74.93,72.68 ; v1(73.56,33.48) 74.66,34.58 74.93,34.58 ; v1(16.41,33.48) 17.51,34.58 17.78,34.58 ; v1(40.95,34.05) 40.62,34.05 40.42,34.25 40.42,34.82 40.23,35.01 39.8,35.01 39.37,34.58 ; v1(60,72.15) 59.67,72.15 59.47,72.35 59.47,72.92 59.28,73.11 58.85,73.11 58.42,72.68 ; v1(54.51,33.48) 55.61,34.58 55.88,34.58 ; 58.42,15.53 58.85,15.96 59.28,15.96 59.47,15.77 59.47,15.2 59.67,15 v1(60,15) ; v1(35.46,14.43) 36.56,15.53 36.83,15.53 ; v1(21.9,72.15) 21.57,72.15 21.37,72.35 21.37,72.92 21.18,73.11 20.75,73.11 20.32,72.68 ; v1(60,53.1) 59.67,53.1 59.47,53.3 59.47,53.87 59.28,54.06 58.85,54.06 58.42,53.63 ; v1(16.41,14.43) 17.51,15.53 17.78,15.53 ; v1(2.85,15) 2.52,15 2.32,15.2 2.32,15.77 2.13,15.96 1.7,15.96 1.27,15.53 ; v1(21.9,53.1) 21.57,53.1 21.37,53.3 21.37,53.87 21.18,54.06 20.75,54.06 20.32,53.63 ; v1(35.46,52.53) 36.56,53.63 36.83,53.63 ; v1(35.46,33.48) 36.56,34.58 36.83,34.58 ; v1(54.51,14.43) 55.61,15.53 55.88,15.53 ; v1(21.9,15) 21.57,15 21.37,15.2 21.37,15.77 21.18,15.96 20.75,15.96 20.32,15.53 ; 20.32,34.58 20.75,35.01 21.18,35.01 21.37,34.82 21.37,34.25 21.57,34.05 v1(21.9,34.05) ; v1(35.46,71.58) 36.56,72.68 36.83,72.68 ; 17.78,53.63 17.51,53.63 v1(16.41,52.53) ; v1(2.85,72.15) 2.52,72.15 2.32,72.35 2.32,72.92 2.13,73.11 1.7,73.11 1.27,72.68 ; 39.37,53.63 39.8,54.06 40.23,54.06 40.42,53.87 40.42,53.3 40.62,53.1 v1(40.95,53.1) ; 39.37,15.53 39.8,15.96 40.23,15.96 40.42,15.77 40.42,15.2 40.62,15 v1(40.95,15) ; v1(2.85,53.1) 2.52,53.1 2.32,53.3 2.32,53.87 2.13,54.06 1.7,54.06 1.27,53.63
  Bottom w1.5: J6#15.2 J5#16.2 ; J6#16.2 J5#8.2 ; J6#2.2 J5#15.2 ; J6#4.2 J5#5.2 ; J6.2 J5#13.2 ; J6#14.2 J5#6.2 ; J6#11.2 J5#7.2 ; J6#6.2 J5#12.2 ; J6#3.2 J5#2.2 ; J6#13.2 J5#4.2 ; J6#9.2 J5#11.2 ; J6#10.2 J5#10.2
CS2: length 302
  Top w0.254: v1(73.47,31.87) 72.91,31.87 71.21,30.17 68.43,30.17 67.99,30.61 66.51,30.61 65.35,31.78 63.05,31.78 62.94,31.67 59.79,31.67 v1(59.65,31.52) ; v1(54.42,50.92) 53.86,50.92 52.16,49.22 49.38,49.22 48.94,49.66 47.46,49.66 46.3,50.83 44,50.83 43.89,50.72 40.74,50.72 v1(40.6,50.57) ; v1(35.37,69.97) 34.81,69.97 33.11,68.27 30.33,68.27 29.89,68.71 28.41,68.71 27.25,69.88 24.95,69.88 24.84,69.77 21.69,69.77 v1(21.55,69.62) ; v1(59.65,50.57) 59.79,50.72 62.94,50.72 63.05,50.83 65.35,50.83 66.51,49.66 67.99,49.66 68.43,49.22 71.21,49.22 72.91,50.92 v1(73.47,50.92) ; v1(16.32,12.82) 15.76,12.82 14.06,11.12 11.28,11.12 10.84,11.56 9.36,11.56 8.2,12.73 5.9,12.73 5.79,12.62 2.64,12.62 v1(2.5,12.47) ; v1(73.47,12.82) 72.91,12.82 71.21,11.12 68.43,11.12 67.99,11.56 66.51,11.56 65.35,12.73 63.05,12.73 62.94,12.62 59.79,12.62 v1(59.65,12.47) ; v1(59.65,69.62) 59.79,69.77 62.94,69.77 63.05,69.88 65.35,69.88 66.51,68.71 67.99,68.71 68.43,68.27 71.21,68.27 72.91,69.97 v1(73.47,69.97) ; v1(2.5,50.57) 2.64,50.72 5.79,50.72 5.9,50.83 8.2,50.83 9.36,49.66 10.84,49.66 11.28,49.22 14.06,49.22 15.76,50.92 v1(16.32,50.92) ; v1(40.6,31.52) 40.74,31.67 43.89,31.67 44,31.78 46.3,31.78 47.46,30.61 48.94,30.61 49.38,30.17 52.16,30.17 53.86,31.87 v1(54.42,31.87) ; v1(21.55,31.52) 21.69,31.67 24.84,31.67 24.95,31.78 27.25,31.78 28.41,30.61 29.89,30.61 30.33,30.17 33.11,30.17 34.81,31.87 v1(35.37,31.87) ; v1(2.5,69.62) 2.64,69.77 5.79,69.77 5.9,69.88 8.2,69.88 9.36,68.71 10.84,68.71 11.28,68.27 14.06,68.27 15.76,69.97 v1(16.32,69.97) ; v1(35.37,50.92) 34.81,50.92 33.11,49.22 30.33,49.22 29.89,49.66 28.41,49.66 27.25,50.83 24.95,50.83 24.84,50.72 21.69,50.72 v1(21.55,50.57) ; v1(40.6,12.47) 40.74,12.62 43.89,12.62 44,12.73 46.3,12.73 47.46,11.56 48.94,11.56 49.38,11.12 52.16,11.12 53.86,12.82 v1(54.42,12.82) ; v1(16.32,31.87) 15.76,31.87 14.06,30.17 11.28,30.17 10.84,30.61 9.36,30.61 8.2,31.78 5.9,31.78 5.79,31.67 2.64,31.67 v1(2.5,31.52) ; v1(35.37,12.82) 34.81,12.82 33.11,11.12 30.33,11.12 29.89,11.56 28.41,11.56 27.25,12.73 24.95,12.73 24.84,12.62 21.69,12.62 v1(21.55,12.47) ; v1(54.42,69.97) 53.86,69.97 52.16,68.27 49.38,68.27 48.94,68.71 47.46,68.71 46.3,69.88 44,69.88 43.89,69.77 40.74,69.77 v1(40.6,69.62)